# Altium PCB MotorDriverV0.PcbDoc (part 1 of 2)
Units mm, origin at the board's own origin, x right, y up, seen from the top; angles counter-clockwise.
Board outline 152.4 x 101.6 mm, 2 copper layers (Top Layer, Bottom Layer); 201 components, 149 nets, 714 pads, 255 vias.
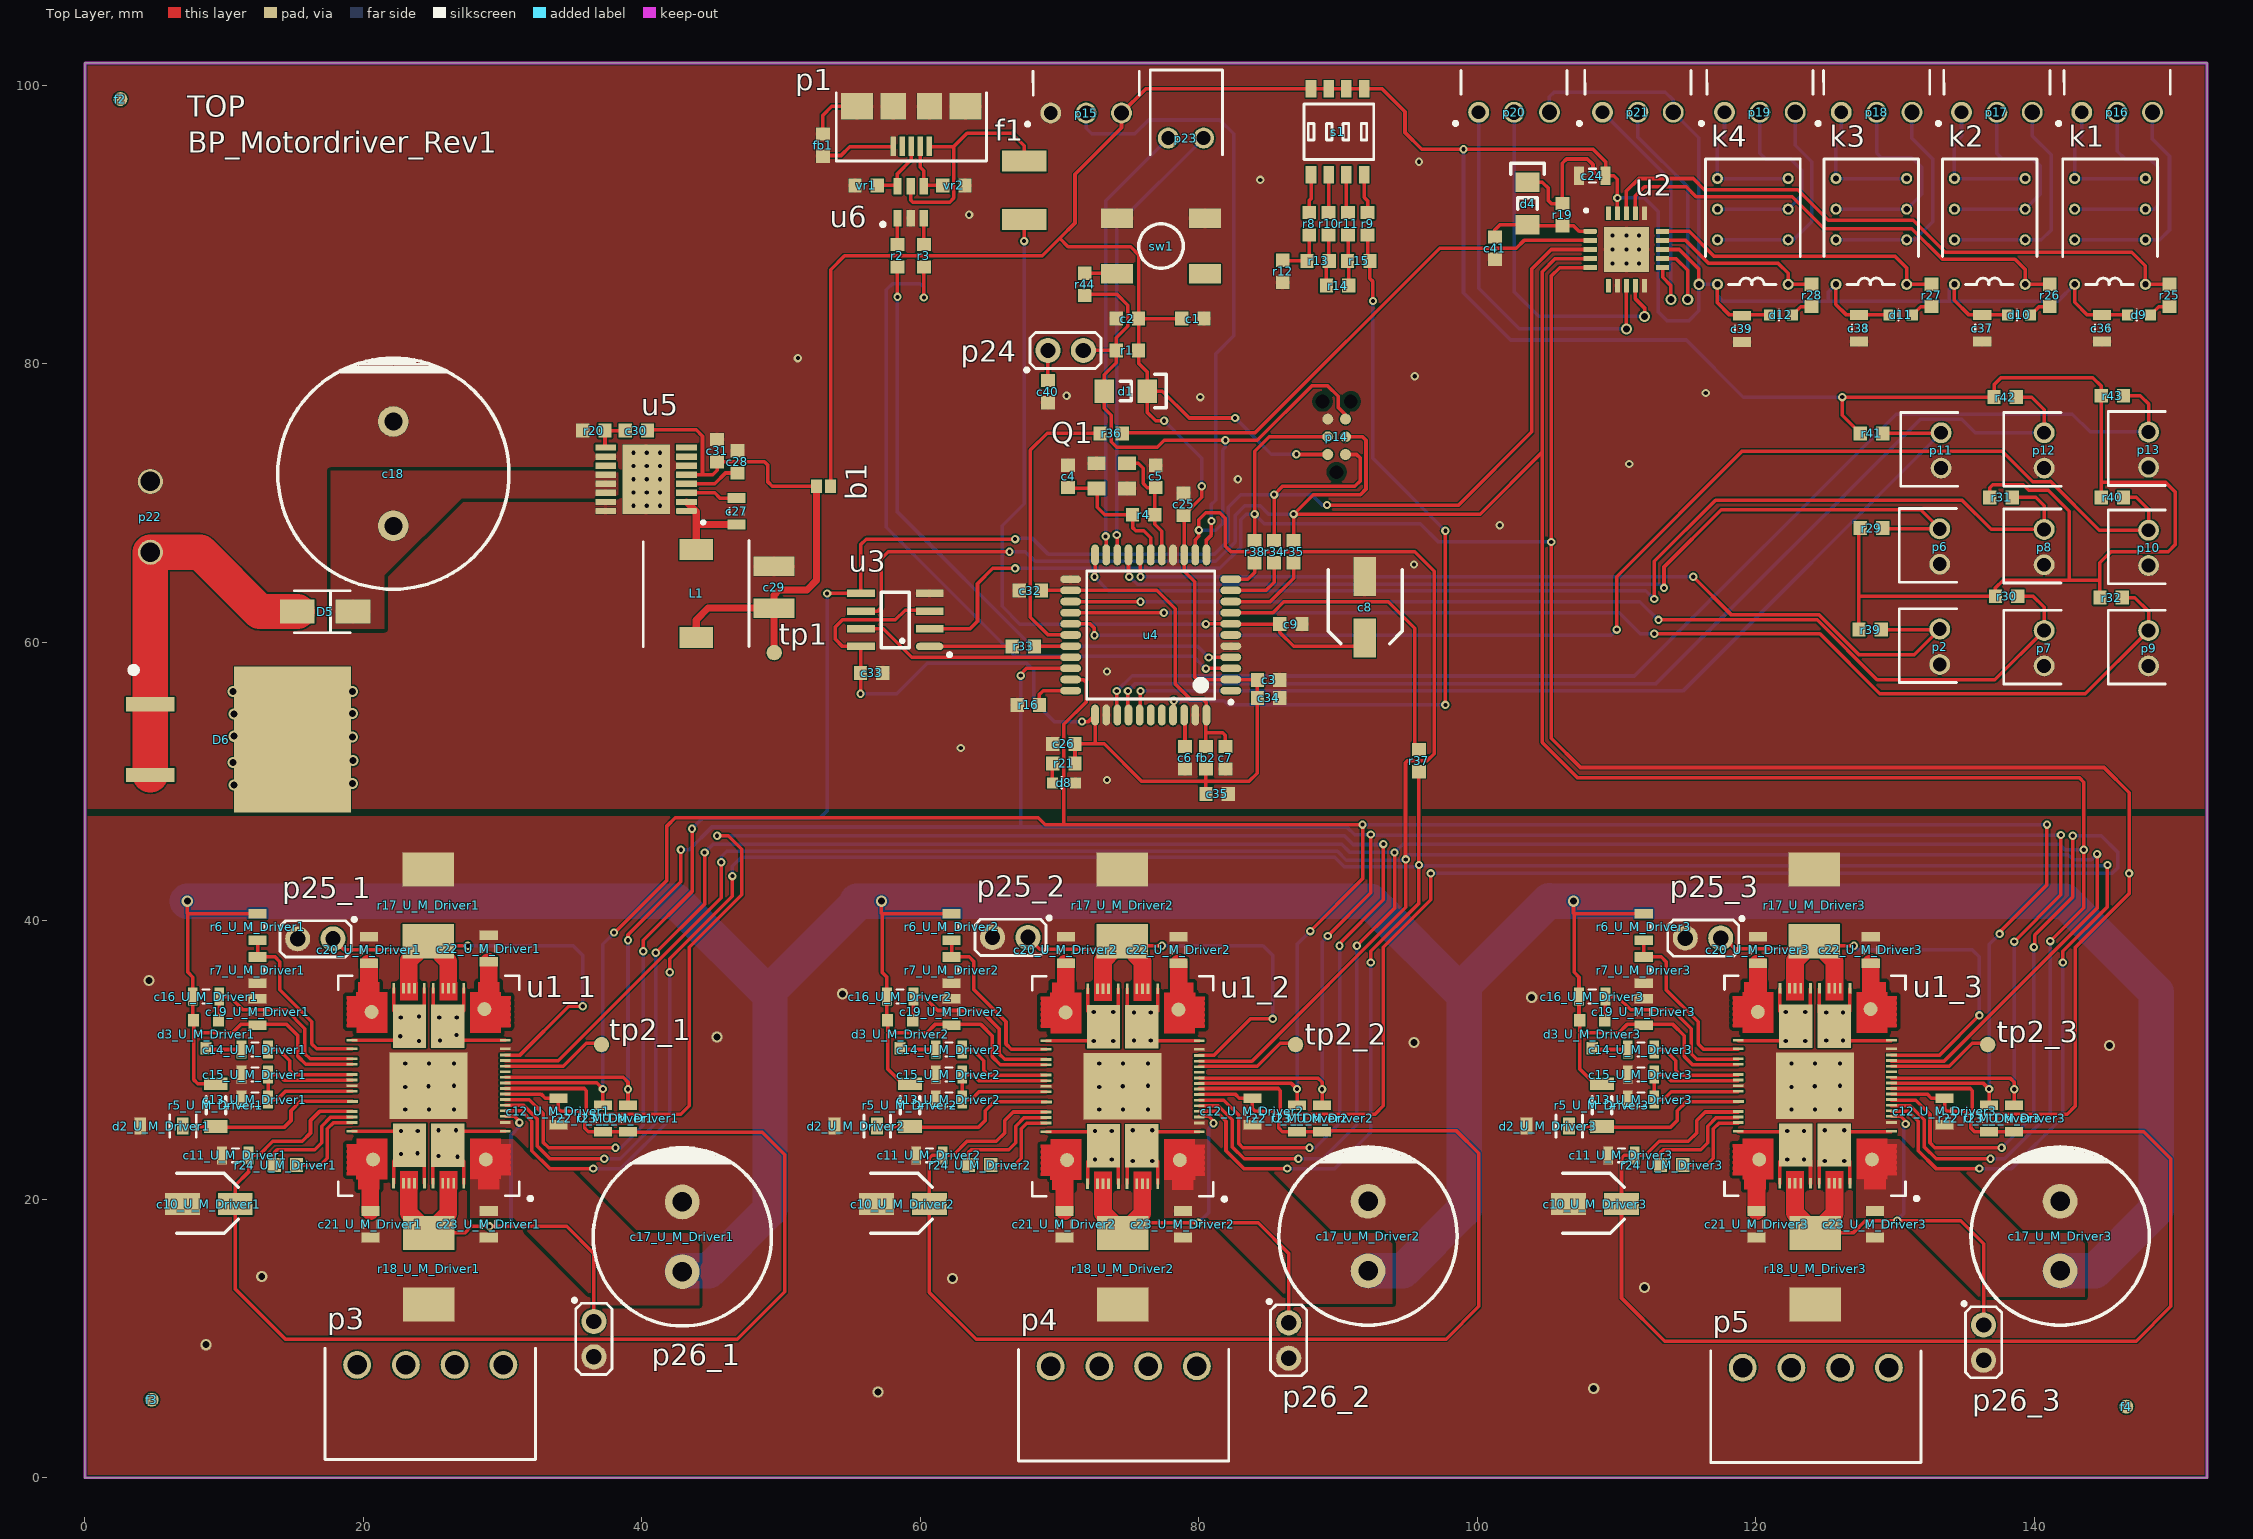
[diagram p0: Top Layer view]
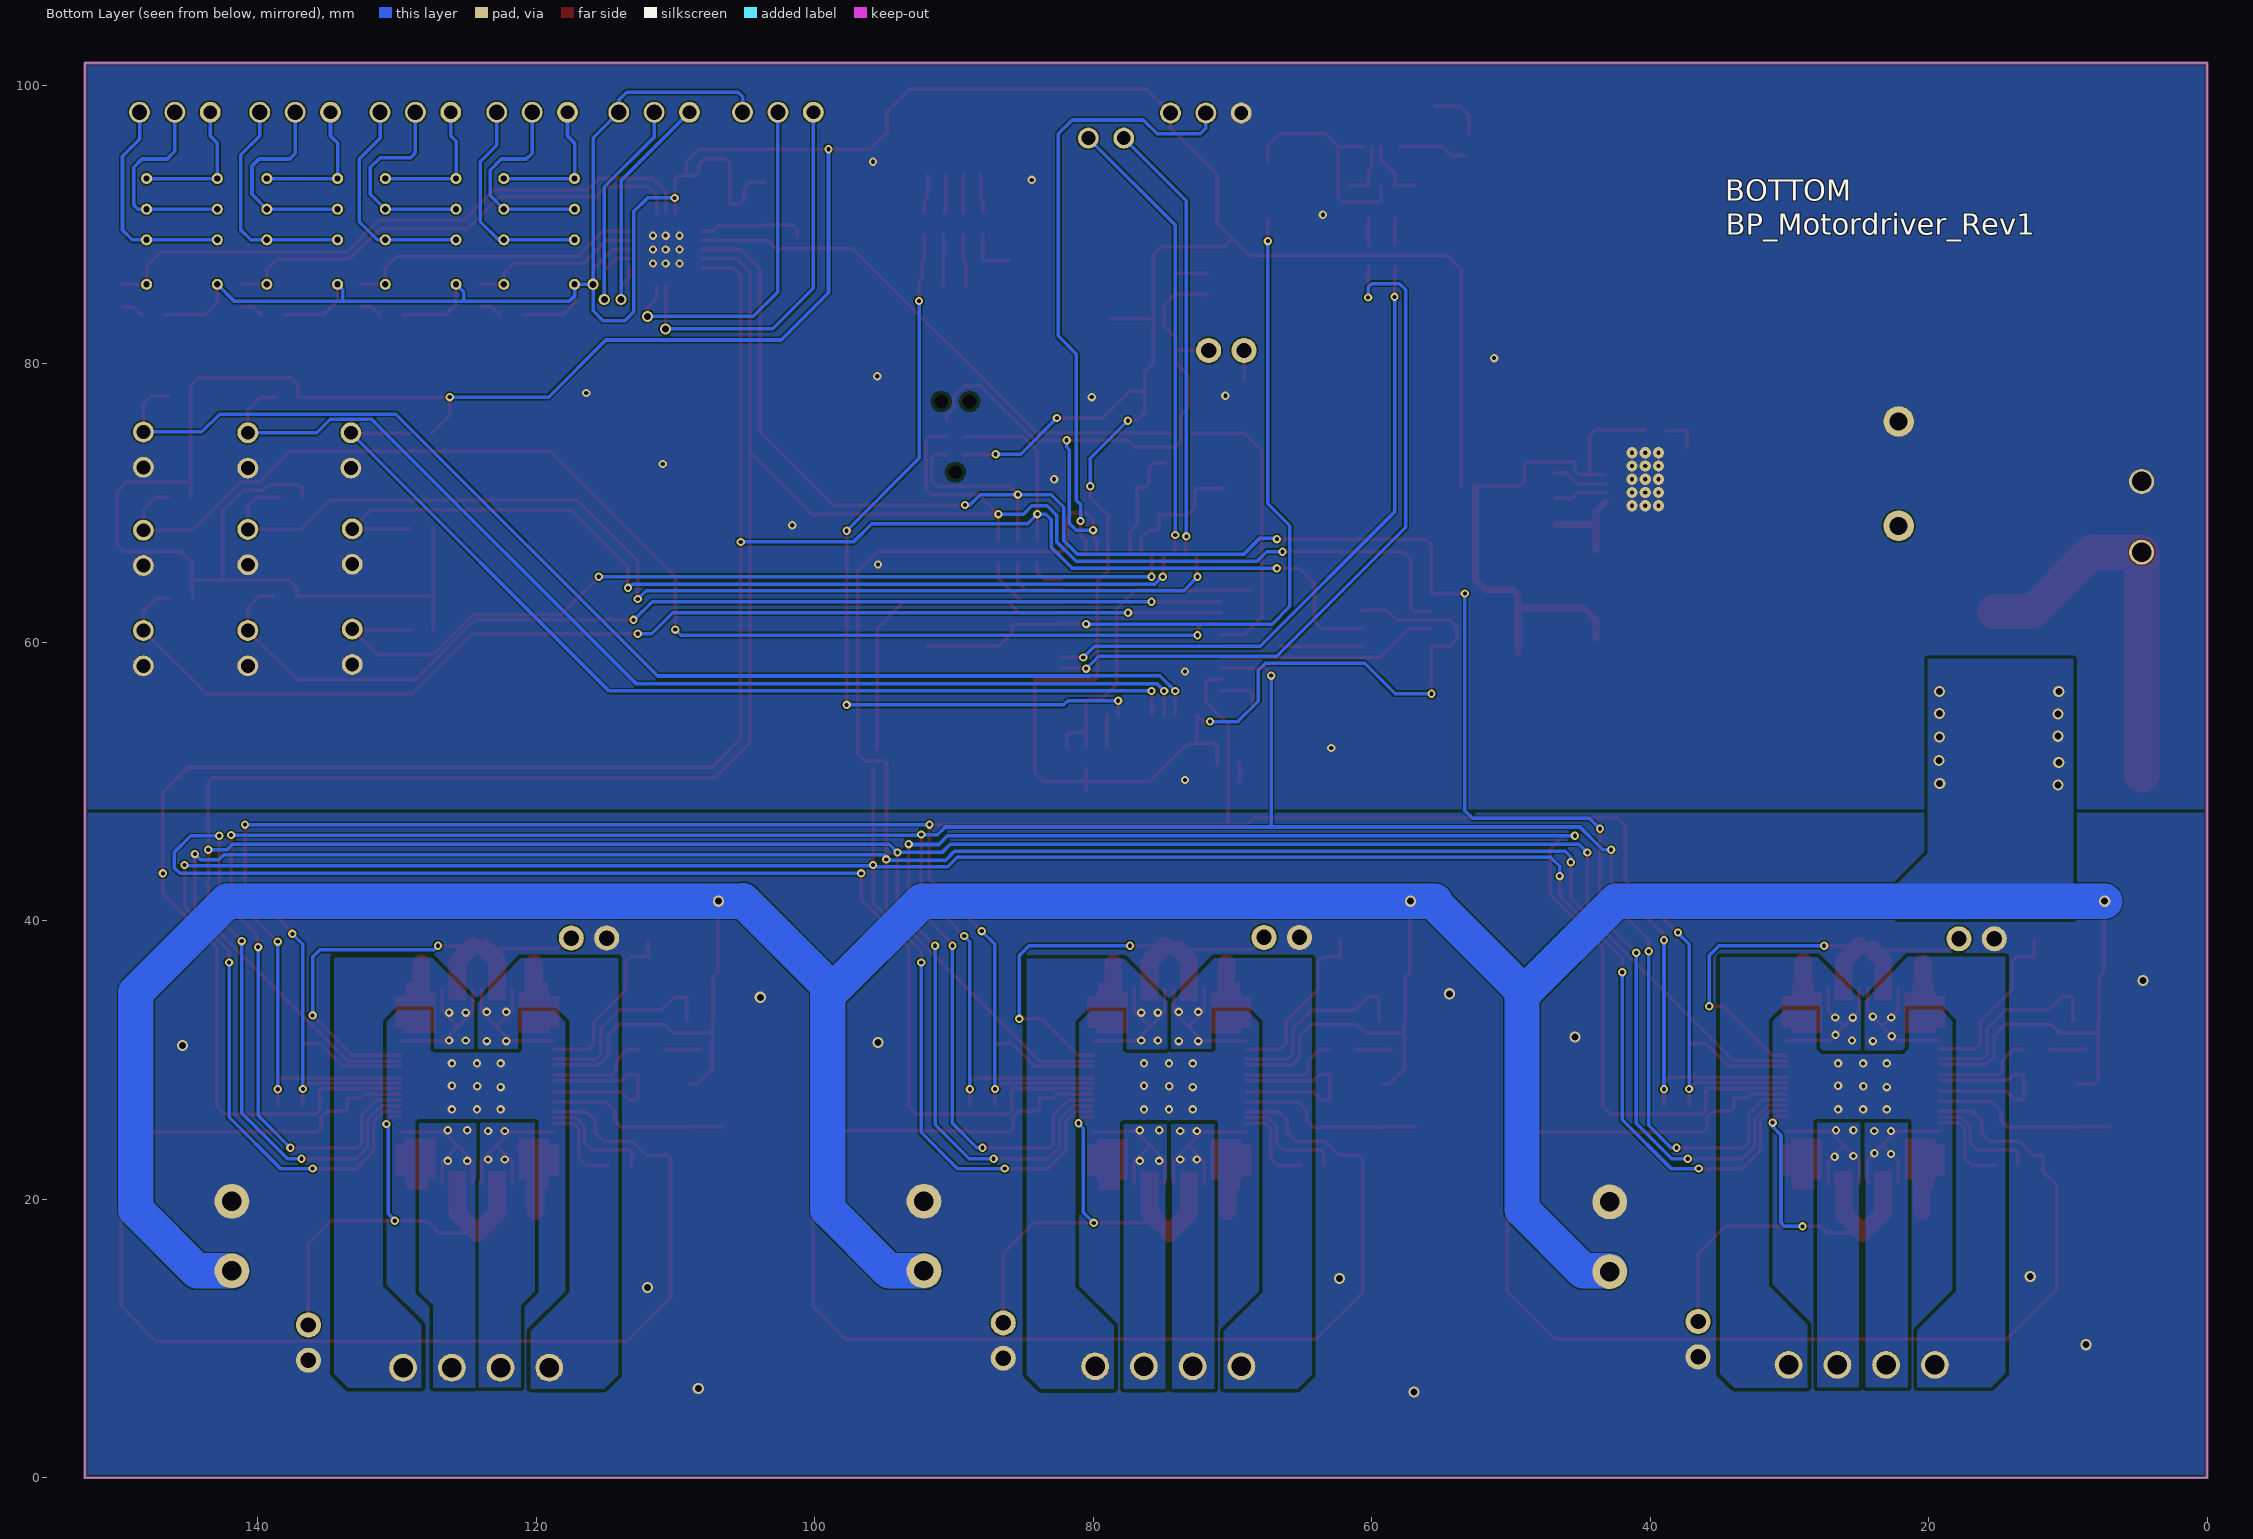
[diagram p1: Bottom Layer view, seen from below]
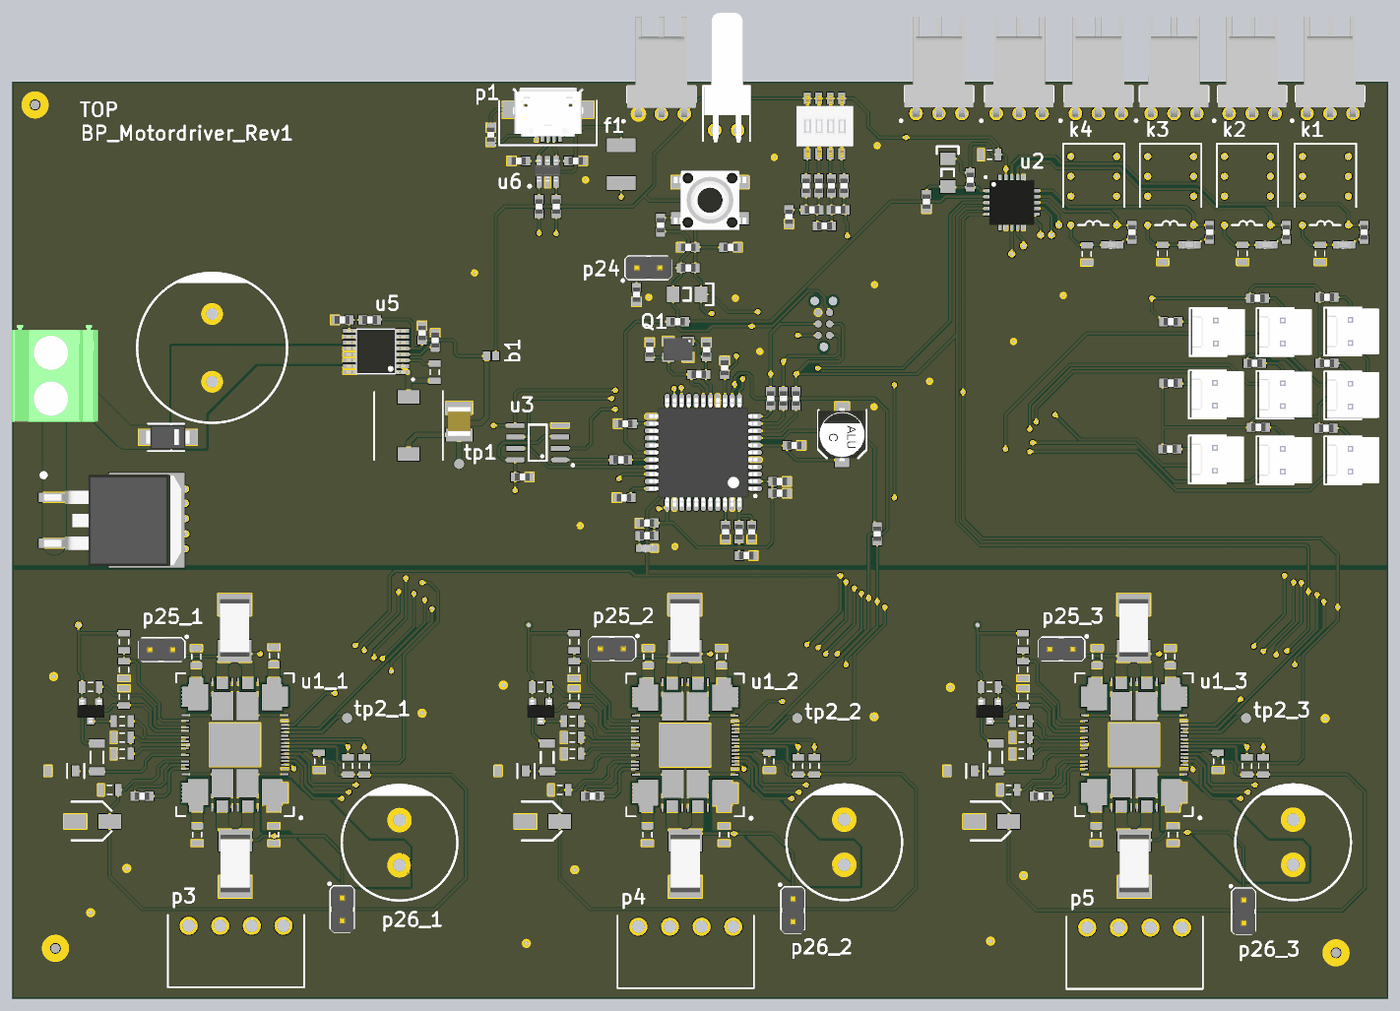
[diagram p3: 3D render of the assembled board from above, using the file's embedded part models]

## Layer stack, top to bottom
Top Solder: solder mask 0.0102, Solder Resist, Dk 3.5
Top Layer: signal copper 0.0356
Dielectric 1: dielectric 0.32, FR-4, Dk 4.8
Bottom Layer: signal copper 0.0356
Bottom Solder: solder mask 0.0102, Solder Resist, Dk 3.5

## Board outline
0,0 152.4,0 152.4,101.6 0,101.6

## Design rules (kind name [scope] priority, off if disabled: settings)
Clearance [All] p1: gap=0.102 ignorepadtopadclearanceinfootprint=TRUE except(0.254: Fill-Fill Fill-Poly Fill-Region Fill-Text Fill-Hole Poly-Poly Poly-Region Poly-Text Poly-Hole Region-Region Region-Text Region-Hole Text-Text Text-Hole)
Height [All] p1: minheight=0 maxheight=1000 prefheight=10
HoleSize [All] p1: absolutevalues=TRUE maxlimit=5 minlimit=0.3 maxpercent=80.000 minpercent=20.000
HoleToHoleClearance [All] p1: gap=0.305 allowstackedmicrovias=TRUE
MinimumAnnularRing [All] p1: minimumring=0.15
MinimumSolderMaskSliver [All] p1: minsoldermaskwidth=0
PolygonConnect PolygonConnect_1 [InNet('PGND')] p1: connectstyle=Direct reliefconductorwidth=0.254 reliefentries=4 polygonreliefangle="90 Angle" airgapwidth=0.254
PolygonConnect [InNet('PS')] p2: connectstyle=Direct reliefconductorwidth=0.254 reliefentries=4 polygonreliefangle="90 Angle" airgapwidth=0.254
RoomDefinition U_M_Driver3 [InComponentClass('U_M_Driver3')] p1: confinementstyle=ConfineIn formatcopy=TRUE lockcomponents=FALSE outline 149.846,47.1 100.9,47.1 100.9,2.25 149.846,2.25
RoomDefinition U_M_Driver2 [InComponentClass('U_M_Driver2')] p2: confinementstyle=ConfineIn formatcopy=TRUE lockcomponents=FALSE outline 100.146,47.1 51.2,47.1 51.2,2.3 100.146,2.3
RoomDefinition U_M_Driver1 [InComponentClass('U_M_Driver1')] p3: confinementstyle=ConfineIn formatcopy=TRUE lockcomponents=FALSE outline 50.3,47.1 1.354,47.1 1.354,2.3 50.3,2.3
RoutingVias [All] p1: holewidth=0.5 width=0.8 viastyle="Through Hole" minholewidth=0.3 minwidth=0.6 maxholewidth=1 maxwidth=1.3
SMDEntry [All] p1: side=TRUE corner=TRUE anyangle=TRUE
SMDToCorner [All] p1: distance=0
SMDToPlane [All] p1: distance=0
SilkToSolderMaskClearance [IsPad] p1: minsilkscreentomaskgap=0.152 clearancetoexposedcopper=TRUE
SolderMaskExpansion [All] p1: expansion=0.102
Width [All] p1: maxlimit=5.08 minlimit=0.102 preferedwidth=0.127
25 further rules are at their usual default settings.

## Classes and differential pairs
channel class M_Driver: U_M_Driver1 U_M_Driver2 U_M_Driver3
net class SDO[1..3]: SDO1 SDO2 SDO3
net class Relay_OUT[1..4]: Relay_OUT1 Relay_OUT2 Relay_OUT3 Relay_OUT4 Relay_OUT5 Relay_OUT6 Relay_OUT7 Relay_OUT8
net class OUTB2_[1..3]: OUTB2_1 OUTB2_2 OUTB2_3
net class OUTB1_[1..3]: OUTB1_1 OUTB1_2 OUTB1_3
net class OUTA2_[1..3]: OUTA2_1 OUTA2_2 OUTA2_3
net class OUTA1_[1..3]: OUTA1_1 OUTA1_2 OUTA1_3
component class "U_Relais sheet": c24 c41 d4 d9 d10 d11 d12 p20 p21 r19 r25 r26 r27 r28 u2
component class "U_Power Supply": b1 c18 c27 c28 c29 c30 c31 D5 D6 f1 fb1 L1 p1 p22 r2 r3 r20 tp1 u5 u6 vr1 vr2
component class U_M_Driver3: c10_U_M_Driver3 c11_U_M_Driver3 c12_U_M_Driver3 c13_U_M_Driver3 c14_U_M_Driver3 c15_U_M_Driver3 c16_U_M_Driver3 c17_U_M_Driver3 c19_U_M_Driver3 c20_U_M_Driver3 c21_U_M_Driver3 c22_U_M_Driver3 c23_U_M_Driver3 d2_U_M_Driver3 d3_U_M_Driver3 p25_3 p26_3 r5_U_M_Driver3 r6_U_M_Driver3 r7_U_M_Driver3 r17_U_M_Driver3 r18_U_M_Driver3 r22_U_M_Driver3 r23_U_M_Driver3 r24_U_M_Driver3 tp2_3 tp2_U_M_Driver3 u1_3
component class U_M_Driver2: c10_U_M_Driver2 c11_U_M_Driver2 c12_U_M_Driver2 c13_U_M_Driver2 c14_U_M_Driver2 c15_U_M_Driver2 c16_U_M_Driver2 c17_U_M_Driver2 c19_U_M_Driver2 c20_U_M_Driver2 c21_U_M_Driver2 c22_U_M_Driver2 c23_U_M_Driver2 d2_U_M_Driver2 d3_U_M_Driver2 p25_2 p26_2 r5_U_M_Driver2 r6_U_M_Driver2 r7_U_M_Driver2 r17_U_M_Driver2 r18_U_M_Driver2 r22_U_M_Driver2 r23_U_M_Driver2 r24_U_M_Driver2 tp2_2 tp2_U_M_Driver2 u1_2
component class U_M_Driver1: c10_U_M_Driver1 c11_U_M_Driver1 c12_U_M_Driver1 c13_U_M_Driver1 c14_U_M_Driver1 c15_U_M_Driver1 c16_U_M_Driver1 c17_U_M_Driver1 c19_U_M_Driver1 c20_U_M_Driver1 c21_U_M_Driver1 c22_U_M_Driver1 c23_U_M_Driver1 d2_U_M_Driver1 d3_U_M_Driver1 p25_1 p26_1 r5_U_M_Driver1 r6_U_M_Driver1 r7_U_M_Driver1 r17_U_M_Driver1 r18_U_M_Driver1 r22_U_M_Driver1 r23_U_M_Driver1 r24_U_M_Driver1 tp2_1 u1_1
component class U_Controller: c1 c2 c3 c4 c5 c6 c7 c8 c9 c25 c26 c32 c33 c34 c35 c40 d1 d8 fb2 p23 p24 Q1 r1 r4 r8 r9 r10 r11 r12 r13 r14 r15 r16 r21 r33 r34 r35 r36 r37 r38 r44 s1 sw1 u3 u4
component class "TOP Sheet": c36 c37 c38 c39 f2 f3 f4 H* k1 k2 k3 k4 p2 p3 p4 p5 p6 p7 p8 p9 p10 p11 p12 p13 p14 p15 p16 p17 p18 p19 r29 r30 r31 r32 r39 r40 r41 r42 r43

## Components (designator, comment, footprint, x,y, rotation, side; value= is the part's Value field where it differs from the comment)
b1 "Solder Bridge" "Solder Bridge" 53.05,71.2 r0 top
c1 "100nF" 0603 79.564,83.237 r0 top
c2 "100nF" 0603 74.865,83.237 r180 top
c3 "1µF" 0603 85,57.3 r0 top
c4 "22pF" 0603 70.6,71.9 r90 top
c5 "22pF" 0603 76.9,71.9 r90 top
c6 "100nF" 0603 79,51.7 r90 top
c7 "100nF" 0603 81.9,51.7 r270 top
c8 "10u" Elco-C 91.9,62.5 r270 top
c9 "100nF" 0603 86.6,61.3 r0 top
c10_U_M_Driver1 "22µ" Elco-B 8.9,19.65 r0 top (schematic designator c10)
c10_U_M_Driver2 "22µ" Elco-B 58.746,19.65 r0 top (schematic designator c10)
c10_U_M_Driver3 "22µ" Elco-B 108.446,19.65 r0 top (schematic designator c10)
c11_U_M_Driver1 "100nF" 0805 10.8,23.15 r0 top (schematic designator c11)
c11_U_M_Driver2 "100nF" 0805 60.646,23.15 r0 top (schematic designator c11)
c11_U_M_Driver3 "100nF" 0805 110.346,23.15 r0 top (schematic designator c11)
c12_U_M_Driver1 "100nF" 0805 34,26.3 r270 top (schematic designator c12)
c12_U_M_Driver2 "100nF" 0805 83.846,26.3 r270 top (schematic designator c12)
c12_U_M_Driver3 "100nF" 0805 133.546,26.3 r270 top (schematic designator c12)
c13_U_M_Driver1 "100nF" 0805 12.2,27.15 r0 top (schematic designator c13)
c13_U_M_Driver2 "100nF" 0805 62.046,27.15 r0 top (schematic designator c13)
c13_U_M_Driver3 "100nF" 0805 111.746,27.15 r0 top (schematic designator c13)
c14_U_M_Driver1 "47nF" 0805 12.2,30.75 r0 top (schematic designator c14)
c14_U_M_Driver2 "47nF" 0805 62.046,30.75 r0 top (schematic designator c14)
c14_U_M_Driver3 "47nF" 0805 111.746,30.75 r0 top (schematic designator c14)
c15_U_M_Driver1 "470nF" 0805 12.2,28.95 r0 top (schematic designator c15)
c15_U_M_Driver2 "470nF" 0805 62.046,28.95 r0 top (schematic designator c15)
c15_U_M_Driver3 "470nF" 0805 111.746,28.95 r0 top (schematic designator c15)
c16_U_M_Driver1 "470n" 0805 8.7,34.55 r0 top (schematic designator c16)
c16_U_M_Driver2 "470n" 0805 58.546,34.55 r0 top (schematic designator c16)
c16_U_M_Driver3 "470n" 0805 108.246,34.55 r0 top (schematic designator c16)
c17_U_M_Driver1 "220µF 100V" "TH ELCO 12.5" 42.9,17.3 r270 top (schematic designator c17)
c17_U_M_Driver2 "220µF 100V" "TH ELCO 12.5" 92.146,17.35 r270 top (schematic designator c17)
c17_U_M_Driver3 "220µF 100V" "TH ELCO 12.5" 141.846,17.35 r270 top (schematic designator c17)
c18 "1000µF" "TH ELCO 16" 22.15,72.1 r270 top
c19_U_M_Driver1 "100nF" 0805 12.4,33.45 r270 top (schematic designator c19)
c19_U_M_Driver2 "100nF" 0805 62.246,33.45 r270 top (schematic designator c19)
c19_U_M_Driver3 "100nF" 0805 111.946,33.45 r270 top (schematic designator c19)
c20_U_M_Driver1 "220n" 0805 20.4,37.9 r90 top (schematic designator c20)
c20_U_M_Driver2 "220n" 0805 70.446,37.9 r90 top (schematic designator c20)
c20_U_M_Driver3 "220n" 0805 120.146,37.9 r90 top (schematic designator c20)
c21_U_M_Driver1 "220n" 0805 20.5,18.2 r270 top (schematic designator c21)
c21_U_M_Driver2 "220n" 0805 70.346,18.2 r270 top (schematic designator c21)
c21_U_M_Driver3 "220n" 0805 120.046,18.2 r270 top (schematic designator c21)
c22_U_M_Driver1 "220n" 0805 29,38 r90 top (schematic designator c22)
c22_U_M_Driver2 "220n" 0805 78.546,37.9 r90 top (schematic designator c22)
c22_U_M_Driver3 "220n" 0805 128.246,37.9 r90 top (schematic designator c22)
c23_U_M_Driver1 "220n" 0805 29,18.2 r270 top (schematic designator c23)
c23_U_M_Driver2 "220n" 0805 78.846,18.2 r270 top (schematic designator c23)
c23_U_M_Driver3 "220n" 0805 128.546,18.2 r270 top (schematic designator c23)
c24 "100nF" 0805 108.25,93.5 r180 top
c25 "100nF" 0603 78.9,69.9 r90 top
c26 "100nF" 0603 70.3,52.7 r180 top
c27 "0.47µF" 0805 46.8,69.4 r270 top
c28 "10µF" 0603 46.85,72.95 r270 top
c29 "100µF" 1210 49.5,63.95 r270 top
c30 "33pF" 0603 39.6,75.2 r0 top
c31 "10µF" 0603 45.4,73.75 r270 top
c32 "100nF" 0603 67.9,63.7 r180 top
c33 "100nF" 0603 56.5,57.8 r180 top
c34 "100nF" 0603 85,56 r0 top
c35 "100nF" 0603 81.3,49.1 r0 top
c36 "1µF" 0805 144.85,82.55 r90 top
c37 "1µF" 0805 136.25,82.55 r90 top
c38 "1µF" 0805 127.4,82.55 r90 top
c39 "1µF" 0805 119,82.5 r90 top
c40 "1µF" 0603 69.15,78 r90 top
c41 "100nF" 0603 101.25,88.3 r90 top
d1 "CD1206-S01575" "1206 - DIODE" 74.738,78.03 r180 top
d2_U_M_Driver1 "DZ2W22000L" Mini2-F3-B 5.5,25.25 r270 top (schematic designator d2)
d2_U_M_Driver2 "DZ2W22000L" Mini2-F3-B 55.346,25.25 r270 top (schematic designator d2)
d2_U_M_Driver3 "DZ2W22000L" Mini2-F3-B 105.046,25.25 r270 top (schematic designator d2)
d3_U_M_Driver1 "BAS40-04" SOT23 8.7,31.85 r180 top (schematic designator d3)
d3_U_M_Driver2 "BAS40-04" SOT23 58.546,31.85 r180 top (schematic designator d3)
d3_U_M_Driver3 "BAS40-04" SOT23 108.246,31.85 r180 top (schematic designator d3)
d4 "CD1206-S01575" "1206 - DIODE" 103.6,91.5 r270 top
D5 "B260A-13-F" "DO-214AB (SMA)" 17.25,62.2 r180 top
D6 "NRVBB1060" "D²PAK 3" 9.8,53 r270 top (schematic designator d6)
d8 "Green SMD LED" "0603 - LED" 70.3,49.9 r0 top
d9 "Yellow SMD LED" "0603 - LED" 147.5,83.5 r0 top
d10 "Yellow SMD LED" "0603 - LED" 138.9,83.5 r0 top
d11 "Yellow SMD LED" "0603 - LED" 130.4,83.5 r0 top
d12 "Yellow SMD LED" "0603 - LED" 121.8,83.5 r0 top
f1 "Fuse 500mA" "PTC Fuses" 67.45,92.45 r270 top
f2 "Fiducial" FIDUCIAL 2.55,99 r0 top
f3 "Fiducial" FIDUCIAL 4.8,5.6 r0 top
f4 "Fiducial" FIDUCIAL 146.6,5.1 r0 top
fb1 "0603 Ferrite Bead" 0603 53,95.7 r90 top
fb2 "0603 Ferrite Bead" 0603 80.5,51.7 r90 top
k1 "IMxxTS" THT-8 145.43,89.497 r90 top
k2 "IMxxTS" THT-8 136.794,89.497 r90 top
k3 "IMxxTS" THT-8 128.285,89.497 r90 top
k4 "IMxxTS" THT-8 119.776,89.497 r90 top
L1 "18µH" "SMD Inductor 7.4x7.4" 43.9,63.5 r270 top
p1 "Micro USB Type B" "Micro USB Type B" 59.35,97.05 r180 top
p2 "Wire-to-Board 2P" WtB-F-2p_V 133.2,58.4 r90 top
p3 "4 contact" WtB-F-4p 24.8,8.1 r180 top
p4 "4 contact" WtB-F-4p 74.6,8 r180 top
p5 "4 contact" WtB-F-4p 124.3,7.9 r180 top
p6 "Wire-to-Board 2P" WtB-F-2p_V 133.2,65.6 r90 top
p7 "Wire-to-Board 2P" WtB-F-2p_V 140.7,58.3 r90 top
p8 "Wire-to-Board 2P" WtB-F-2p_V 140.7,65.56 r90 top
p9 "Wire-to-Board 2P" WtB-F-2p_V 148.2,58.3 r90 top
p10 "Wire-to-Board 2P" WtB-F-2p_V 148.2,65.5 r90 top
p11 "Wire-to-Board 2P" WtB-F-2p_V 133.3,72.5 r90 top
p12 "Wire-to-Board 2P" WtB-F-2p_V 140.7,72.5 r90 top
p13 "Wire-to-Board 2P" WtB-F-2p_V 148.2,72.56 r90 top
p14 "TC2030-MCP-NL" "TAG PROGRAMMER" 89.89,74.749 r90 top
p15 "Servo Port" "1X3 Headerpin Angled" 71.9,98 r180 top
p16 "Wire-to-Board 3P" "1X3 Headerpin Angled" 145.938,98.055 r180 top
p17 "Wire-to-Board 3P" "1X3 Headerpin Angled" 137.302,98.055 r180 top
p18 "Wire-to-Board 3P" "1X3 Headerpin Angled" 128.666,98.055 r180 top
p19 "Wire-to-Board 3P" "1X3 Headerpin Angled" 120.284,98.055 r180 top
p20 "Wire-to-Board 3P" "1X3 Headerpin Angled" 102.631,98.055 r180 top
p21 "Wire-to-Board 3P" "1X3 Headerpin Angled" 111.521,98.055 r180 top
p22 "MKDSN 1.5" ScrewWtB-2 4.7,69 r90 top
p23 "Wire-to-Board 2P" WtB-F-2p 77.8,96.2 r0 top
p24 "2 Pin Header" 1x2-HeaderPin 70.43,80.95 r180 top
p25_1 "2 Pin Header" 1x2-HeaderPin 16.55,38.7 r0 top (schematic designator p25_3)
p25_2 "2 Pin Header" 1x2-HeaderPin 66.45,38.8 r0 top (schematic designator p25_3)
p25_3 "2 Pin Header" 1x2-HeaderPin 116.2,38.75 r0 top
p26_1 "2 Pin Header" 1x2-HeaderPin 36.55,9.95 r90 top (schematic designator p26_3)
p26_2 "2 Pin Header" 1x2-HeaderPin 86.45,9.85 r90 top (schematic designator p26_3)
p26_3 "2 Pin Header" 1x2-HeaderPin 136.35,9.7 r90 top
Q1 "Crystal 16MHz, 3.2x2.5mm" X32 73.748,71.948 r180 top
r1 "10k" 0603 74.865,80.951 r0 top
r2 "22R" 0603 58.35,87.75 r270 top
r3 "22R" 0603 60.25,87.75 r270 top
r4 "1M" 0603 76.034,69.154 r0 top
r5_U_M_Driver1 "3k9" 1206 9.4,26.75 r270 top (schematic designator r5)
r5_U_M_Driver2 "3k9" 1206 59.246,26.75 r270 top (schematic designator r5)